# Altium PCB MCH_MAIN.PCBDOC (part 11 of 14) (continued)
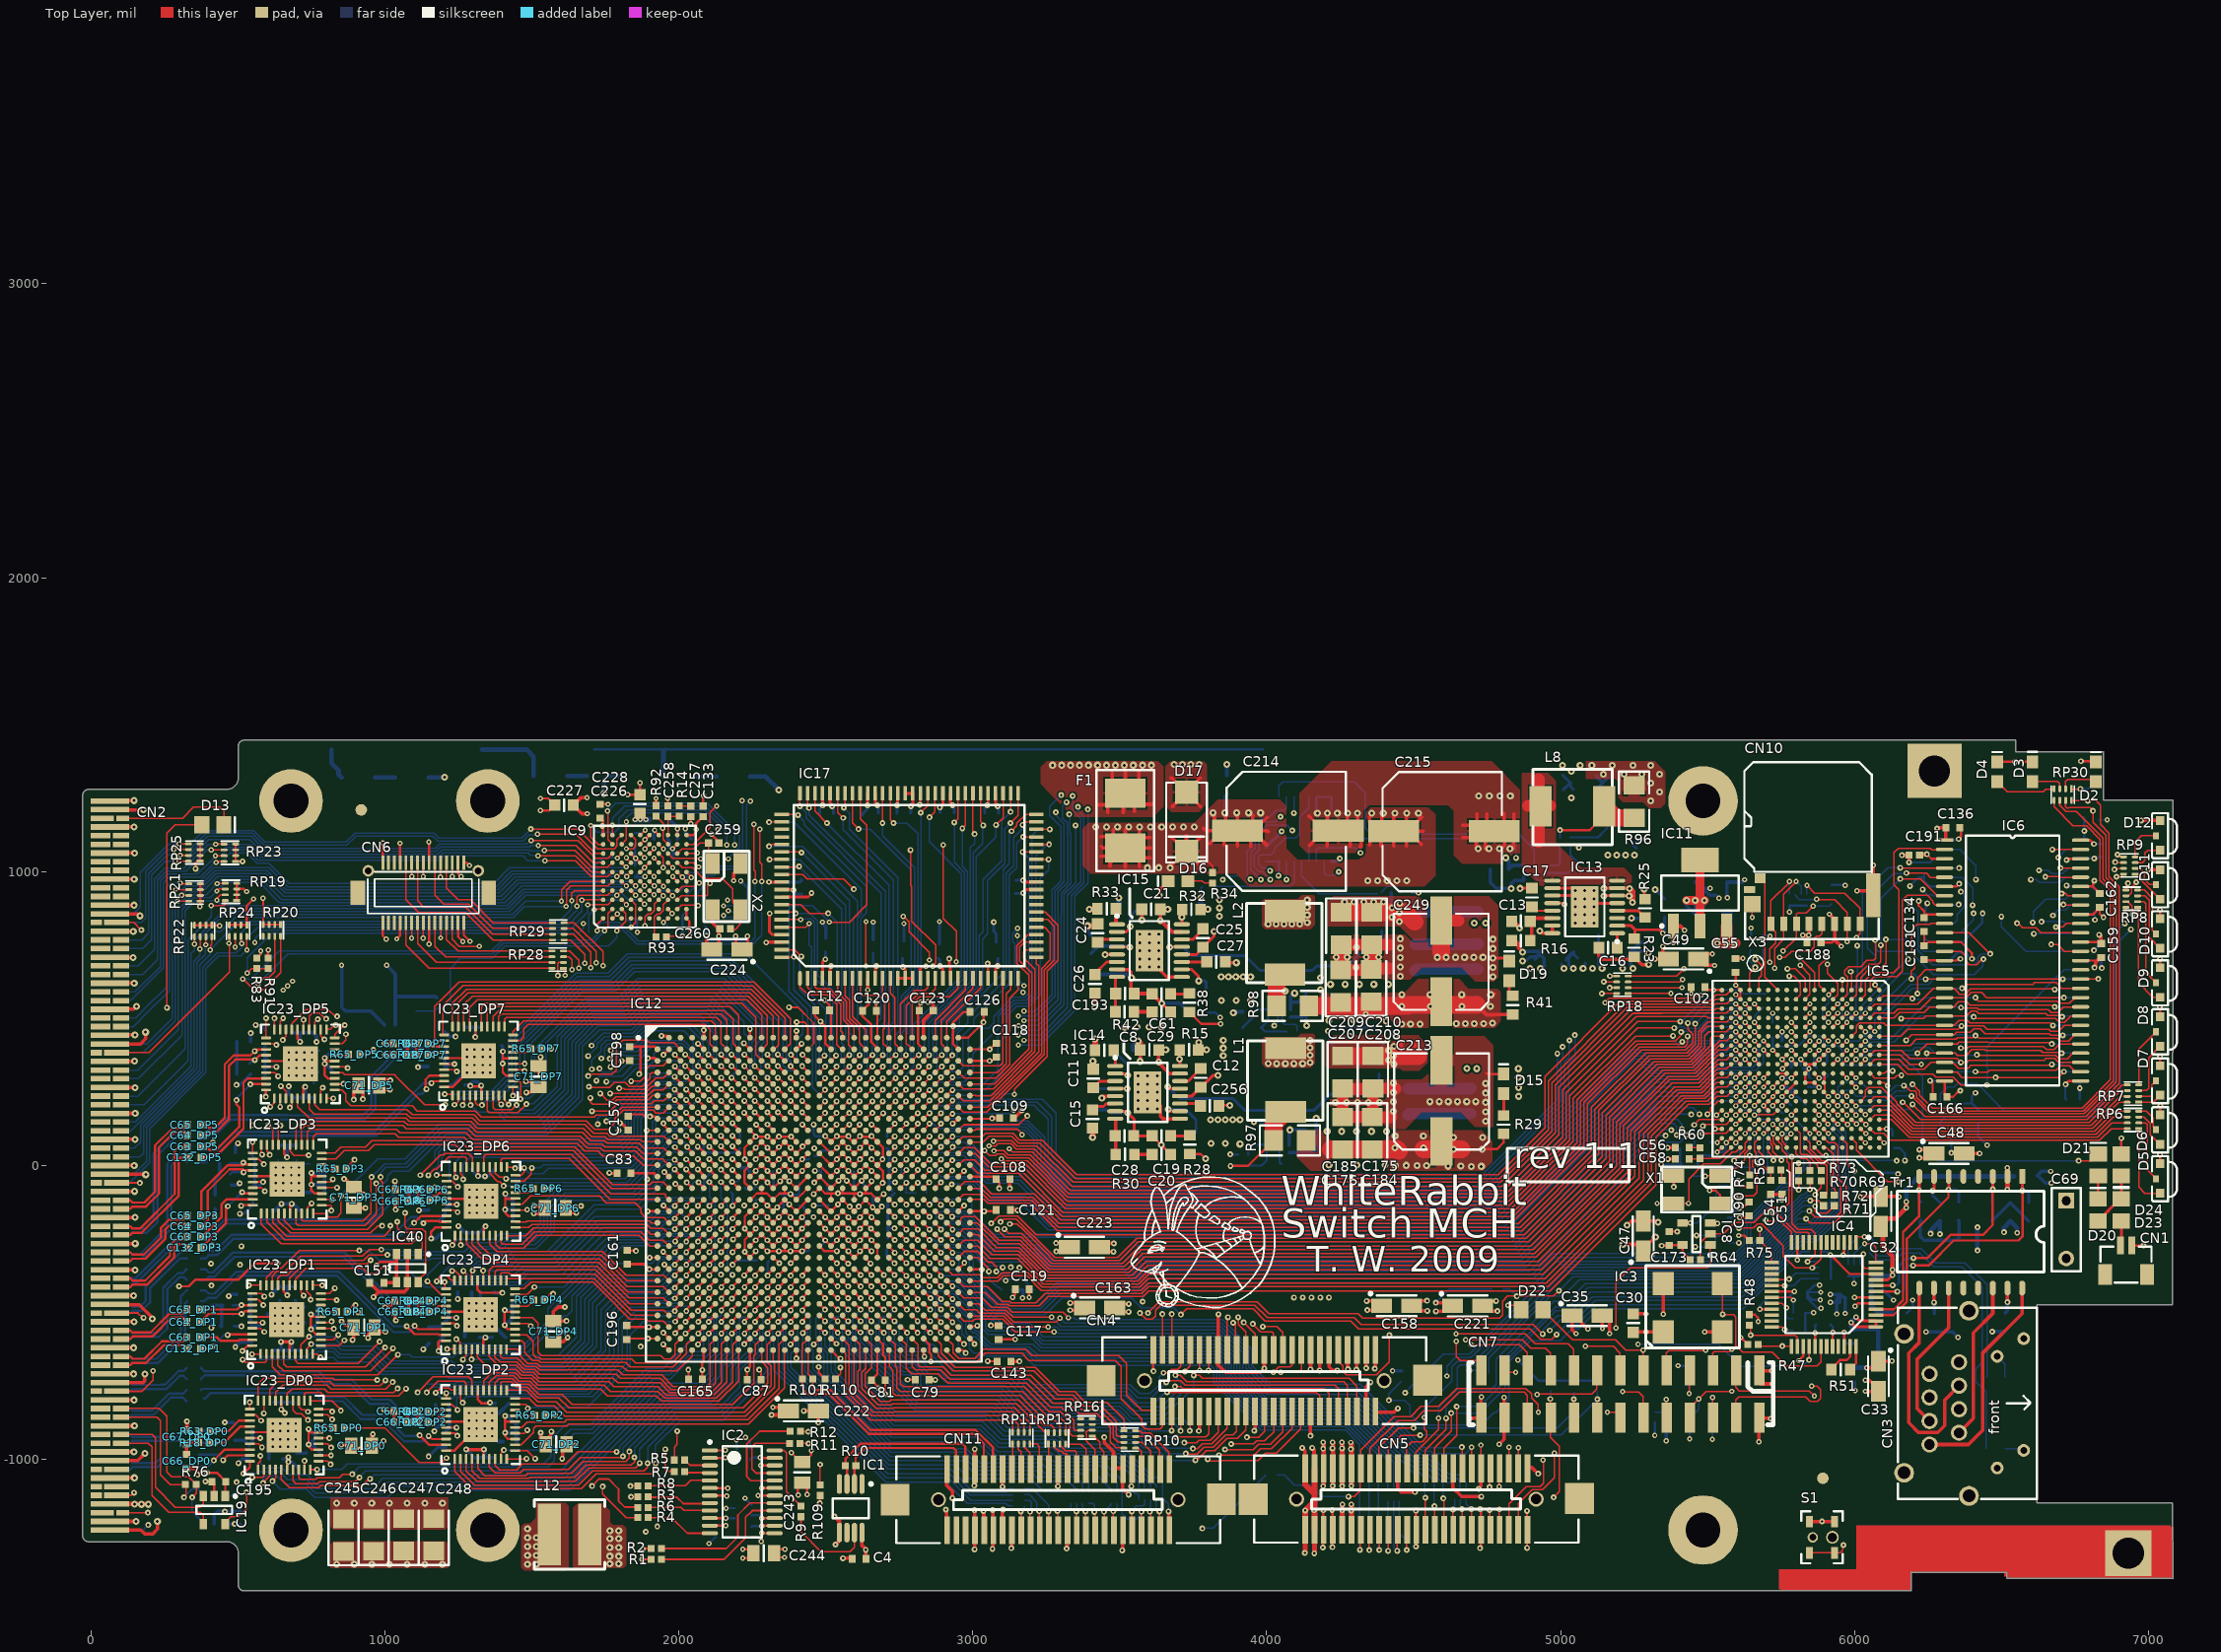
[diagram p0: Top Layer view]
## Nets (pads, with @x,y where several pads share a name; then routed paths per layer and width w, separated by ;. In a path a pad name is that pad's centre, name@x,y a point inside that pad or via, vN(x,y) a via of type N, cw(c..) or ccw(c..) an arc to the next point about the centre after c; other vN are vias at no path point) (continued)
  Top Layer w10: v2(5988,-534.1) 6003,-549.1 IC4.1@6072,-549.1 6072,-537.1 IC4.2@6072,-529.1 6018,-529.1 v2(6005,-516.1) ; C33.1@6073,-688.1 6073,-673.92 C33.1@6081,-665.92 6126.18,-665.92 v2(6127,-665.1)
  Top Layer w12: v2(6041,-688.1) C33.1@6073,-688.1
  Bottom Layer w16: C36.1@6002,-687.48 6002.62,-688.1 v2(6041,-688.1) 6066,-688.1 6080,-674.1 6080,-663.1 ; v2(6005,-516.1) 5988,-533.1 v2(5988,-534.1) 5988,-548.48 C37.1@5998,-558.48 6000.82,-555.66 L4.2@6080,-555.66 6080,-663.1 ; v2(6127,-665.1) 6125,-663.1 6080,-663.1
NetC42_2: C42.2 R49.1 R50.1 | length 255.7
  Bottom Layer w12: R49.1@6226,-187.6 6222,-191.6 6222,-240.1 6236,-254.1 6348.5,-254.1 C42.2@6354.5,-248.1 6354.5,-188.1 R50.1@6354,-187.6
NetC43_2: C43.2 D21.2 IC5.M8 | length 1539.7
  Top Layer w5: v1(6762,15.9) 6805.6,15.9 D21.2@6829,39.3
  Top Layer w8: v2@5721.95,392.22 IC5.M8@5737.48,376.69
  Bottom Layer w5: 5723.4,405.7 5723.88,405.22 5774.6,405.22 5777,407.61 5809.91,407.61 5841.41,439.11 5885.74,439.11 5894.9,429.95 5894.9,417.68 5904.47,408.11 5942.99,408.11 ; 5943.8,407.3 5942.99,408.11 ; v1(6762,15.9) 6283,15.9 6231,67.9 6231,304.9 6195.3,340.6 5971.91,340.6 5968.39,344.12 5957.81,354.69 5957.81,393.29 5942.99,408.11
  Bottom Layer w8: C43.2@5719.89,434.43 5721.84,432.48 v2(5721.84,392.11)
NetC51_2: C51.2 R56.1 | length 36.5
  Top Layer w5: R56.1@5751.25,-14.94 5751.54,-15.23 C51.2@5751.54,-51.32
NetC54_2: C54.2 IC5.P18 R56.2 | length 129.6
  Top Layer w5: IC5.P18@5674.48,61.73 5674.48,48.07 5689.39,33.16 5689.39,-1.96 5714.42,-26.99 C54.2@5714.42,-50.99 ; C54.2@5714.54,-51.32 C54.2@5714.54,-50.99
NetC56_2: C56.2 R60.1 | length 35.9
  Top Layer w5: C56.2@5437.62,60.9 5471.72,60.9 R60.1@5473,59.62
NetC57_2: C57.2 C59.2 IC5.U17 IC5.V18 L9.2 | length 199.5
  Top Layer w8: v2@5536.83,49.89 5536.83,50.07 IC5.V18@5548.5,61.73 ; v2(5564.27,77.47) IC5.U17@5580,93.23
  Bottom Layer w8: L9.2@5466.56,5.9 5466.56,26.86 5474.4,34.7 5504.95,34.7 C57.2@5506.89,32.76 5519.22,45.1 v2@5528.2,45.1 ; v2@5530.05,43.25 v2(5532.77,45.98) 5558.67,45.98 C59.2@5561.27,43.39 5561.27,74.47 v2(5564.27,77.47)
NetC58_2: C58.2 IC5.U18 R60.2 | length 155.6
  Top Layer w5: C58.2@5437.62,21.9 R60.2@5470.72,21.9 ; R60.2@5473,24.18 5542.45,24.18 IC5.U18@5580,61.73
NetC61_2: C61.2 R38.1 | length 68.1
  Top Layer w10: C61.2@3677.5,583.9 C61.2@3673.5,583.9 3735.5,583.9 R38.1@3737,585.4
NetC62_2: C62.2 IC5.R18 X1.1 | length 246.6
  Top Layer w5: v2(5491.5,-35.91) 5492.79,-34.61 X1.1@5541.89,-34.61 5563.4,-13.1 5592,-13.1 5625,19.9 5625,39.35 5643.1,57.45 IC5.R18@5643.1,61.4
  Bottom Layer w5: C62.2@5450.62,-36.1 5491.31,-36.1 v2(5491.5,-35.91)
NetC66_DP0_2: C66_DP0.2 C67_DP0.2 R18_DP0.2 R63_DP0.2 | length 118.4
  Top Layer w12: C66_DP0.2@325.2,-982.48 325.2,-947.72 330.82,-942.1 368.48,-942.1 R63_DP0.2@368.48,-904.1
NetC66_DP1_2: C66_DP1.2 C67_DP1.2 R18_DP1.2 R63_DP1.2 | length 111.7
  Bottom Layer w8: C67_DP1.2@439.38,-546.1 C67_DP1.2@440.38,-545.1 ; R18_DP1.2@447.28,-509.1 R18_DP1.2@448.28,-508.1
  Bottom Layer w12: C66_DP1.2@411.62,-476.1 R63_DP1.2@448.28,-476.1 445.38,-479.01 C67_DP1.2@445.38,-547.1
NetC66_DP2_2: C66_DP2.2 C67_DP2.2 R18_DP2.2 R63_DP2.2 | length 141.1
  Top Layer w12: C67_DP2.2@1077.62,-837.1 C66_DP2.2@1077.62,-873.1 R18_DP2.2@1111.28,-873.1 R63_DP2.2@1111.28,-837.1 ; C67_DP2.2@1078.62,-836.1 1110.28,-836.1 R63_DP2.2@1111.28,-837.1 ; R63_DP2.2@1111.28,-839.44 R63_DP2.2@1111.28,-837.1
NetC66_DP3_2: C66_DP3.2 C67_DP3.2 R18_DP3.2 R63_DP3.2 | length 113.7
  Bottom Layer w12: C66_DP3.2@423,-99.48 423,-44.38 R18_DP3.2@438.28,-29.1 R63_DP3.2@438.28,7.9
NetC66_DP4_2: C66_DP4.2 C67_DP4.2 R18_DP4.2 R63_DP4.2 | length 133.5
  Top Layer w12: C67_DP4.2@1081.62,-469.88 C66_DP4.2@1081.62,-498.1 R18_DP4.2@1115.28,-498.1 R63_DP4.2@1115.28,-460.1 C67_DP4.2@1081.62,-460.1
NetC66_DP5_2: C66_DP5.2 C67_DP5.2 R18_DP5.2 R63_DP5.2 | length 110
  Bottom Layer w12: C67_DP5.2@496.38,310.9 C66_DP5.2@496.38,420.9
NetC66_DP6_2: C66_DP6.2 C67_DP6.2 R18_DP6.2 R63_DP6.2 | length 148.6
  Top Layer w12: C67_DP6.2@1079.62,-82.1 C67_DP6.2@1082.62,-82.1 ; C67_DP6.2@1082.62,-82.1 C66_DP6.2@1082.62,-122.1 1085.62,-119.1 R18_DP6.2@1116.28,-119.1 R63_DP6.2@1116.28,-82.1 C67_DP6.2@1082.62,-82.1
NetC66_DP7_2: C66_DP7.2 C67_DP7.2 R18_DP7.2 R63_DP7.2 | length 146.4
  Top Layer w12: R63_DP7.2@1105.66,418.52 R63_DP7.2@1109.28,414.9 ; R63_DP7.2@1109.28,414.9 C67_DP7.2@1076.62,414.9 C66_DP7.2@1076.62,376.9 R18_DP7.2@1109.28,376.9 R63_DP7.2@1109.28,414.9
NetC69_2: C69.2 CN3.0 R52.1 R53.1 | length 162.1
  Bottom Layer w12: v2(6243,-566.1) 6270.5,-566.1 R52.1@6271,-566.6 6333.5,-566.6 v2(6352,-585.1) ; v1(6468,-565.1) 6468.5,-564.6 R53.1@6513,-564.6
NetC73_1: C73.1 Tr1.7 | length 100.4
  Top Layer w10: v1(6266,-85.1) 6270,-81.1 Tr1.7@6270,-37.1
  Bottom Layer w10: v1(6266,-85.1) 6266,-102.1 6267,-103.1 6267.5,-103.1 C73.1@6290,-125.6
NetC75_DP0_2: C75_DP0.2 C76_DP0.2 IC23_DP0.36 L5_DP0.2 | length 178.9
  Top Layer w6: IC23_DP0.36@541.06,-927.07 v1@576.26,-927.07
  Bottom Layer w12: L5_DP0.2@491,-934.66 522.18,-934.66 C75_DP0.2@539,-951.48 549.36,-941.12 549.36,-902.22 C76_DP0.2@549.36,-907.48 ; 549.36,-929.1 551.22,-927.24 v1(576.43,-927.24) v1@574.39,-927.24
NetC75_DP1_2: C75_DP1.2 C76_DP1.2 IC23_DP1.36 L5_DP1.2 | length 184.8
  Top Layer w6: IC23_DP1.36@548.86,-534.47 v1@584.06,-534.47
  Bottom Layer w12: C75_DP1.2@543.62,-439.1 543.62,-542.16 L5_DP1.2@547,-545.54 573.34,-545.54 v1(584.23,-534.64)
NetC75_DP2_2: C75_DP2.2 C76_DP2.2 IC23_DP2.36 L5_DP2.2 | length 155.1
  Top Layer w6: IC23_DP2.36@1209.14,-891.33 1244.33,-891.33 v1(1244.51,-891.5)
  Bottom Layer w12: L5_DP2.2@1208,-903.54 1220.04,-891.5 v1(1244.51,-891.5) ; L5_DP2.2@1219.62,-891.23 C75_DP2.2@1219.62,-813.1
NetC75_DP3_2: C75_DP3.2 C76_DP3.2 IC23_DP3.36 L5_DP3.2 | length 201.7
  Top Layer w6: IC23_DP3.36@550.54,-55.67 585.73,-55.67 v1(585.91,-55.84)
  Bottom Layer w10: C75_DP3.2@538.62,44.9 558.38,25.14 558.38,-62.16 L5_DP3.2@551,-69.54 572.21,-69.54 v1(585.91,-55.84)
NetC75_DP4_2: C75_DP4.2 C76_DP4.2 IC23_DP4.36 L5_DP4.2 | length 169.1
  Top Layer w6: IC23_DP4.36@1208.06,-517.53 v1@1243.26,-517.53
  Bottom Layer w8: 1216.36,-515.24 1218.83,-517.7
  Bottom Layer w12: L5_DP4.2@1149.98,-549.12 1187.41,-549.12 1216.36,-520.17 1216.36,-515.24 C76_DP4.2@1216.36,-492.68 ; 1218.83,-517.7 v1(1243.43,-517.7)
NetC75_DP5_2: C75_DP5.2 C76_DP5.2 IC23_DP5.36 L5_DP5.2 | length 180.6
  Top Layer w6: IC23_DP5.36@596.14,335.73 v1@631.33,335.73
  Bottom Layer w6: v1@627,337.9 629.16,337.9 v1(631.51,335.56)
  Bottom Layer w12: C75_DP5.2@592.99,308.11 593,337.9 ; C76_DP5.2@593,363.9 L5_DP5.2@593,406.34 ; C76_DP5.2@598.38,363.9 593,358.52 593,337.9 ; v1(631.51,335.56) 595.34,335.56 593,337.9
NetC75_DP6_2: C75_DP6.2 C76_DP6.2 IC23_DP6.36 L5_DP6.2 | length 159.7
  Top Layer w6: IC23_DP6.36@1209.86,-132.47 1245.06,-132.47 v1(1245.23,-132.64)
  Bottom Layer w8: 1220.63,-132.64 1223.02,-132.64
  Bottom Layer w12: C75_DP6.2@1187,-187.48 1204.56,-169.92 L5_DP6.2@1204.56,-151.1 L5_DP6.2@1218.16,-137.5 ; C76_DP6.2@1218.16,-107.62 L5_DP6.2@1218.16,-137.5 ; v1(1245.23,-132.64) 1223.02,-132.64 L5_DP6.2@1218.16,-137.5
NetC75_DP7_2: C75_DP7.2 C76_DP7.2 IC23_DP7.36 L5_DP7.2 | length 153.7
  Top Layer w6: IC23_DP7.36@1201.74,345.47 1236.93,345.47 v1(1237.11,345.3)
  Bottom Layer w12: C75_DP7.2@1204,407.28 1210.04,401.24 1210.04,370.32 1205,365.28 1205,331.46 1218.84,345.3 v1(1237.11,345.3)
NetC98_2: C98.2 IC5.T18 X1.3 | length 382.1
  Top Layer w5: X1.3@5384.41,-129.1 5436,-129.1 5436,-46.1 5486.97,4.87 5520.97,4.87 ; 5521,4.9 5543,4.9 5584.13,46.03 5595.48,46.03 5610.86,61.4 IC5.T18@5611.61,61.4
  Bottom Layer w5: C98.2@5407.62,-129.1 v2(5435,-129.1)
NetC100_2: C100.2 IC5.R1 X3.2 | length 156.3
  Top Layer w5: IC5.R1@5643.1,596.84 5643.1,655.22 X3.2@5662,674.12
  Bottom Layer w5: C100.2@5645.66,732.94 C100.2@5647,734.28 5643.5,730.78 5643.5,692.62 X3.2@5662,674.12
NetC106_2: C106.2 IC5.P1 X3.1 | length 173.4
  Top Layer w5: X3.1@5662,701.68 5683,680.68 5683,645.9 5674.2,637.1 5674.2,597.24 IC5.P1@5674.6,596.84
  Bottom Layer w5: X3.1@5662,701.68 5682.98,701.68 5687.5,706.2 5687.5,732.78 C106.2@5686,734.28
NetC140_1: C140.1 IC21.5 R104.1 | length 188.5
  Bottom Layer w8: IC21.5@4950.77,992.49 4953.18,994.9 5025,994.9 5059,1028.9 C140.1@5060.5,1028.9 5033,1056.4 R104.1@5033,1081.18
NetC140_2: C140.2 IC21.4 R103.1 | length 102.7
  Bottom Layer w8: IC21.4@4950.77,1018.08 4953.59,1020.9 4989.5,1020.9 C140.2@4997.5,1028.9 4997.5,1079.69 R103.1@4998,1080.18
NetC193_2: C193.2 IC15.8 R42.2 | length 120.6
  Top Layer w10: R42.2@3485.5,522.9 3485.5,636.07 IC15.8@3490.76,641.33
NetC228_2: C228.2 C233.2 C234.2 C235.2 C236.2 IC9.F8 IC9.G7 IC9.G10 IC9.H1 IC9.K1 IC9.K2 L11.1 | length 362
  Top Layer w8: IC9.F8@1900.48,1061.37 v2@1911.01,1071.9 ; v2@1912,1071.9 1916,1075.9 v2@1916,1078.87 ; v2@1916,1045.85 IC9.G7@1931.98,1029.88 ; v2@1918,1138.34 IC9.G10@1931.98,1124.36 ; v2(1948,826.9) 1962,840.9 IC9.H1@1963.47,840.9 ; IC9.K2@2026.46,872.4 IC9.K1@2026.46,840.9 ; IC9.K1@2027,840.9 IC9.K1@2026.46,840.9 ; v2(2037,781.9) 2035.73,783.17 2035.73,831.63 IC9.K1@2026.46,840.9
  Top Layer w20: C228.2@1868,1198.4 C228.2@1870.94,1201.34
  Bottom Layer w8: v2(1948,826.9) 1965.38,809.52 C235.2@1965.38,805.9 ; v2(2037,781.9) 2044.38,789.28 C233.2@2044.38,809.9
  Bottom Layer w12: C234.2@1915.38,1110.9 1915.38,1138.28 v2(1918,1140.9)
  Bottom Layer w20: v2(1888,1176.9) v2(1869,1176.9) v2(1851,1176.9) L11.1@1899,1176.9
  other v2: 1916,1045.9 1916.23,1079.1
NetC237_2: C237.2 IC9.J10 L11.2 | length 100.4
  Top Layer w8: IC9.J10@1994.97,1124.36 1994.97,1144.87 v2(1996,1145.9)
  Top Layer w12: IC9.J10@1994.97,1124.36 IC9.J10@1996,1125.4
  Bottom Layer w12: L11.2@1968.81,1176.9 1995.38,1150.33 C237.2@1995.38,1110.9
NetC241_1: C241.1 IC22.5 R106.1 | length 191.4
  Bottom Layer w8: R106.1@3937.72,37.9 3937.72,56.62 3952,70.9 4030,70.9 4043.75,57.15 4043.75,11.65 C241.1@4050.5,4.9
NetC241_2: C241.2 IC22.4 R105.1 | length 96.9
  Bottom Layer w8: R105.1@3937.72,-0.1 3982.5,-0.1 C241.2@3987.5,4.9 4000.23,17.62 IC22.4@4000.23,44.72
NetC242_1: C242.1 IC24.5 R108.1 | length 121.6
  Bottom Layer w8: C242.1@3918.5,468.9 3918.5,469.4 3954.72,505.62 R108.1@3954.72,522.9 3962.13,530.31 IC24.5@4004.23,530.31
NetC242_2: C242.2 IC24.4 R107.1 | length 136.4
  Bottom Layer w8: IC24.4@4004.23,504.72 4004.23,491.63 C242.2@3981.5,468.9 3994.5,455.9 R107.1@4067.28,455.9
NetC256_1: C256.1 IC14.11 | length 72.4
  Top Layer w10: IC14.11@3705.24,210.51 3766.89,210.51 C256.1@3774.5,202.9
NetC257_2: C257.2 R14.1 | length 39.4
  Top Layer w5: R14.1@2002,1223.62 2040,1223.62 C257.2@2041,1222.62
NetC258_2: C258.2 IC9.H10 R14.2 | length 103
  Top Layer w5: IC9.H10@1963.47,1124.36 1963.47,1187.71 C258.2@1963,1188.18 R14.2@2002,1188.18
NetC259_2: C259.2 IC9.J8 X2.1 | length 196.3
  Top Layer w5: IC9.J8@1994.97,1061.37 2010.5,1076.9 2051.25,1076.9 2071.25,1096.9 C259.2@2101.28,1096.9 2101.28,1040.62 2104,1037.9 2105,1037.9 X2.1@2115,1027.9
NetC260_2: C260.2 IC9.J7 X2.3 | length 409.4
  Top Layer w5: IC9.J7@1994.97,1029.88 2011.95,1012.9 2047.33,1012.9 2083.33,976.9 2148,976.9 2184,940.9 2184,895.91 X2.3@2209.49,870.42 ; C260.2@2166.72,802.9 2192.49,802.9 2209.49,819.9 X2.3@2209.49,870.42 ; X2.3@2211,871.93 X2.3@2209.49,870.42
NetCN1_2: CN1.2 D23.1 | length 85
  Top Layer w10: CN1.2@6903.63,-272.1 6907,-268.73 D23.1@6907,-188.5
NetCN2_3: CN2.3 D13.1 | length 2587
  Top Layer w5: CN2.3@108.28,-1181.12 197.85,-1181.12 v1@200.21,-1178.76 ; v1(259,536.9) 262.8,540.7 258,545.5 258,1129.9 287,1158.9 D13.1@377.6,1158.9
  MidLayer1 w5: v1(194,-1181.1) 208.4,-1181.1 272.4,-1117.1 272.4,484.9 259,498.3 v1(259,536.9) v1@260,535.9
NetCN2_83: CN2.83 D13.2 | length 412.5
  Top Layer w5: CN2.83@108.5,1181.3 CN2.83@108.28,1181.08 312.18,1181.08 350,1218.9 425.5,1218.9 439.5,1218.9 441.4,1217 452.4,1206 D13.2@452.4,1158.9
NetCN3_1: CN3.1 Tr1.16 | length 740.8
  Top Layer w12: CN3.1@6255,-949.1 6387,-949.1 6435,-901.1 6435,-639.1 6570,-504.1 6570,-449.1 6570,-443.1 Tr1.16@6570,-416.1
NetCN3_2: CN3.2 Tr1.14 | length 540.6
  Top Layer w12: CN3.2@6355,-909.1 6404,-860.1 6404,-569.1 6470,-503.1 Tr1.14@6470,-416.1
NetCN3_3: CN3.3 Tr1.11 | length 570.1
  Top Layer w12: 6216.44,-830.54 CN3.3@6255,-869.1 6212,-826.1 6212,-660.1 6320,-552.1 Tr1.11@6320,-416.1
NetCN3_6: CN3.6 Tr1.9 | length 775
  Top Layer w12: Tr1.9@6220,-416.1 6220,-602.1 6184,-638.1 6184,-875.1 6216.56,-907.66 6283.44,-907.66 6306,-885.1 6306,-798.1 CN3.6@6355,-749.1
NetCN3_9: CN3.9 R55.2 | length 82.6
  Bottom Layer w5: CN3.9@6485,-649.1 6510.5,-674.6 R55.2@6510.5,-721.1
NetCN3_12: CN3.12 R54.2 | length 67
  Bottom Layer w5: R54.2@6510.5,-963.1 6569,-963.1 CN3.12@6575,-969.1
NetCN6_7: CN6.7 RP29.1 | length 495.6
  Top Layer w5: CN6.7@1209.74,1030.26 1209.74,944.86 1250.4,904.2 1290.9,904.2 1369.07,826.03 RP29.1@1570.71,826.03
NetCN6_8: CN6.8 RP28.5 | length 432.1
  Top Layer w5: CN6.8@1209.74,825.54 1209.74,769.06 1249.4,729.4 1568.09,729.4 RP28.5@1568.71,730.03
NetCN6_11: CN6.11 RP29.2 | length 558.4
  Top Layer w5: CN6.11@1170.37,1030.26 1170.37,918.73 1200.2,888.9 1284.5,888.9 1367.06,806.34 RP29.2@1570.71,806.34
NetCN6_12: CN6.12 RP28.6 | length 492.1
  Top Layer w5: CN6.12@1170.37,825.54 1171.5,824.41 1171.5,745.8 1206.96,710.34 RP28.6@1568.71,710.34
NetCN6_17: CN6.17 RP29.3 | length 636.3
  Top Layer w5: CN6.17@1111.31,1030.26 1111.31,900.59 1133,878.9 1274.5,878.9 1366.74,786.66 RP29.3@1570.71,786.66
NetCN6_18: CN6.18 RP28.7 | length 554
  Top Layer w5: CN6.18@1111.31,825.54 1111.31,755.99 1175.2,692.1 1567.27,692.1 RP28.7@1568.71,690.66
NetCN6_21: CN6.21 RP29.4 | length 682
  Top Layer w5: CN6.21@1071.94,1030.26 1071.94,903.66 1115,860.6 1274.7,860.6 1368.33,766.97 RP29.4@1570.71,766.97
NetCN6_22: CN6.22 RP28.8 | length 604.8
  Top Layer w5: CN6.22@1071.94,825.54 1071.94,750.36 1151.2,671.1 1293.9,671.1 1294.03,670.97 RP28.8@1568.71,670.97
NetCN10_G4: CN10.G4 IC5.M1 | length 407.7
  Top Layer w5: CN10.G4@5679.01,974.89 CN10.G4@5679.01,977.58 5694.12,962.46 5694.12,640.31 IC5.M1@5737.59,596.84
NetCN10_P1: CN10.P1 IC5.L17 RP5.1 | length 1118.2
  Top Layer w5: v2(5711,690.9) 5711,736.31 5732,757.31 5732,792.9 5715.43,809.47 CN10.P1@5715.43,822.07 5715.43,900.33 5778,962.9 v2(5778,965.9) ; IC5.L17@5769.09,92.9 5783,106.81 5783,107.9 v2(5784,107.9)
  MidLayer4 w5: v2(5711,690.9) 5711,564.76 5698.64,552.4 5698.5,552.4 5674.73,528.63 5674.73,96.17 5691,79.9 5756,79.9 v2(5784,107.9)
  Bottom Layer w5: v2(5778,965.9) 5778.47,965.43 RP5.1@5778.47,923.59
NetCN10_P2: CN10.P2 IC5.L18 RP5.3 | length 1065.4
  Top Layer w5: v2(5728,670.9) 5728,739.17 5758.73,769.9 CN10.P2@5758.73,822.07 5758.73,923.3 5801,965.57 v2(5801,965.9) ; v2(5753,107.9) 5753,82.11 5769.09,66.02 IC5.L18@5769.09,61.4
  MidLayer4 w5: v2(5728,670.9) 5727.5,670.4 5727.5,560.4 5706,538.9 5706,102.98 5720.08,88.9 5734,88.9 v2(5753,107.9)
  Bottom Layer w5: v2(5801,965.9) 5817.84,949.06 RP5.3@5817.84,923.59
NetCN10_P3: CN10.P3 IC5.M16 R20.1 | length 927.3
  Top Layer w5: v2(5722,139.9) 5722.09,139.9 IC5.M16@5737.59,124.4 ; v2(5757,729.9) 5753,725.9 5754,725.9 5802.04,773.94 CN10.P3@5802.04,822.07 5802.04,854.94 5807,859.9 5836,859.9 v2(5859,882.9)
  MidLayer4 w5: v2(5722,139.9) 5737.84,155.74 5737.84,510.76 5749,521.92 5749,681.9 5767,699.9 5767,719.9 v2(5757,729.9)
  Bottom Layer w5: v2(5859,882.9) 5916,882.9 5916,884.4 R20.1@5923,891.4
NetCN10_P5: CN10.P5 IC5.M14 | length 930.9
  Top Layer w5: v2(5659,171.9) 5660.11,173.01 5723.22,173.01 IC5.M14@5737.59,187.39 ; v2(5745,707.9) 5764,707.9 5785,728.9 5848,728.9 5862,742.9 5862,771.9 5870,779.9 5880,779.9 5888.65,788.55 CN10.P5@5888.65,822.07 CN10.P5@5888.65,810.55
  MidLayer4 w5: v2(5659,171.9) 5643,187.9 5643,510.9 5694.5,562.4 5694.5,697.73 5704.17,707.4 v2@5743.5,707.4
NetCN10_P7: CN10.P7 IC5.M18 RP5.2 | length 1173.4
  Top Layer w5: v2(5723,107.9) 5723.22,107.68 5723.22,77.34 5737.59,62.96 IC5.M18@5737.59,61.4 ; v2(5870,905.9) 5868,903.9 5932.27,903.9 5975.27,860.9 CN10.P7@5975.27,822.07 5975.27,761.17 v2(5975,760.9)
  MidLayer4 w5: v2(5723,107.9) 5739.5,124.4 5799.5,124.4 5813,137.9 5813,334.38 5832.81,354.2 5832.81,384.72 5832.33,385.2 5832.33,557.43 5941,666.1 5941,685.9 5969.5,714.4 ; 5958,702.9 5969.5,714.4 ; v2(5975,760.9) 5975,719.9 5969.5,714.4
  Bottom Layer w5: RP5.2@5798.16,923.59 5798.16,918.81 5812.7,904.27 5867.63,904.27 5868,903.9 v2(5870,905.9)
NetCN10_P8: CN10.P8 IC5.L15 RP5.4 | length 1139.5
  Top Layer w5: v2@5753.09,139.9 IC5.L15@5769.09,155.89 ; v2(5838,952.9) 5864,926.9 5967,926.9 6018.57,875.33 CN10.P8@6018.57,822.07 6018.57,788.47 v2(6006,775.9)
  MidLayer4 w5: v2(5752,139.9) 5753,140.9 5753,161.73 5800.33,209.06 5800.33,547.23 5857,603.9 5858.9,605.8 5927,673.9 5927,743.9 5960.5,777.4 6004.5,777.4 v2(6006,775.9)
  Bottom Layer w5: RP5.4@5837.53,923.59 5837.53,952.43 v2(5838,952.9)
NetD1_1: D1.1 RP30.1 | length 93.7
  Top Layer w5: RP30.1@6737.25,1280.11 6766.91,1280.11 v1(6768.1,1281.3)
  Bottom Layer w5: v1(6768.1,1281.3) 6794.86,1281.3 D1.1@6820,1306.44
NetD2_1: D2.1 RP30.2 | length 135.1
  Top Layer w5: RP30.2@6717.57,1280.11 6717.9,1280.44 6717.9,1306.7 6725,1313.8 6812.77,1313.8 D2.1@6820.21,1306.36
NetD3_1: D3.1 RP30.3 | length 115.1
  Top Layer w5: D3.1@6605,1306.44 6690.86,1306.44 6697.88,1299.42 RP30.3@6697.88,1280.11
NetD4_1: D4.1 RP30.4 | length 211.2
  Top Layer w5: D4.1@6485.21,1306.36 6520.27,1271.3 6641.1,1271.3 6650,1280.2 6678.11,1280.2 RP30.4@6678.2,1280.11
NetD5_KG: D5.1 RP6.1 | length 279.4
  Top Layer w5: RP6.1@6966.68,125.37 6966.68,-72.78 6988,-94.1 7038.75,-94.1 D5.1@7039,-94.35
NetD5_KR: D5.2 RP6.2 | length 227.9
  Top Layer w5: RP6.2@6966.68,145.06 6989.7,145.06 6995,139.76 6995,-14.92 D5.2@7025.22,-45.14
NetD6_KG: D6.1 RP6.3 | length 133.4
  Top Layer w5: RP6.3@6966.68,164.74 6984.16,164.74 7005,143.9 7005,104.9 7037.54,72.36 D6.1@7039,72.36
NetD6_KR: D6.2 RP6.4 | length 102.7
  Top Layer w5: RP6.4@6966.68,184.43 6992.47,184.43 7015,161.9 7015,130.9 7024.33,121.57 D6.2@7025.22,121.57
NetD7_KG: D7.1 RP7.1 | length 82.1
  Top Layer w5: RP7.1@6966.68,215.37 7015.3,215.37 D7.1@7039,239.08
NetD7_KR: D7.2 RP7.2 | length 101.2
  Top Layer w5: RP7.2@6966.68,235.06 7007.16,235.06 7011,238.9 7011,274.07 D7.2@7025.22,288.29
NetD8_KG: D8.1 RP7.3 | length 196.3
  Top Layer w5: RP7.3@6966.68,254.74 6992.84,254.74 7000,261.9 7000,366.79 D8.1@7039,405.79
NetD8_KR: D8.2 RP7.4 | length 204.8
  Top Layer w5: RP7.4@6966.68,274.43 6966.68,396.47 D8.2@7025.22,455
NetD9_KG: D9.1 RP8.1 | length 352.5
  Top Layer w5: RP8.1@6962.41,878.05 6963.56,876.9 6965,876.9 6965,621.9 7014.4,572.5 D9.1@7039,572.5
NetD9_KR: D9.2 RP8.2 | length 314.8
  Top Layer w5: RP8.2@6962.41,897.74 6984.16,897.74 6991,890.9 6991,655.94 D9.2@7025.22,621.72
NetD10_KG: D10.1 RP8.3 | length 224.6
  Top Layer w5: RP8.3@6962.41,917.42 6987.48,917.42 7002,902.9 7002,776.22 D10.1@7039,739.22
NetD10_KR: D10.2 RP8.4 | length 188.4
  Top Layer w5: RP8.4@6962.41,937.11 6985.79,937.11 7013,909.9 7013,800.65 D10.2@7025.22,788.43
NetD11_KG: D11.1 RP9.1 | length 124.5
  Top Layer w5: RP9.1@6954.41,991.05 6961.85,991.05 6975.5,977.4 6975.5,969.4 D11.1@7039,905.93
NetD11_KR: D11.2 RP9.2 | length 106.3
  Top Layer w5: RP9.2@6954.41,1010.74 6970.42,1010.74 6981.5,999.65 6985.5,995.65 6985.5,974.4 7003,956.9 7023.47,956.9 D11.2@7025.22,955.15
NetD12_KG: D12.1 RP9.3 | length 116.1
  Top Layer w5: RP9.3@6954.41,1030.42 6978.52,1030.42 6987,1038.9 6987,1062.9 6996.75,1072.65 D12.1@7039,1072.65
NetD12_KR: D12.2 RP9.4 | length 132
  Top Layer w5: RP9.4@6954.41,1050.11 6954.41,1102.31 6975,1122.9 7024.18,1122.9 D12.2@7025.22,1121.86
NetD15_1: D15.1 R29.1 | length 74
  Top Layer w10: R29.1@4806,170.4 D15.1@4806,244.44
NetD16_1: D16.1 R34.1 | length 96.1
  Top Layer w5: D16.1@3731.46,966.9 3732.86,968.3 3780.2,968.3 3787.32,961.18 R34.1@3816,961.18
  Top Layer w12: R34.1@3810.28,966.9 R34.1@3816,961.18
NetD19_1: D19.1 R41.1 | length 56
  Top Layer w10: D19.1@4825,628.44 4825,589.4 R41.1@4837,577.4
NetD20_1: D20.1 D23.2 D24.2 | length 188.2
  Top Layer w10: D20.1@6828,-188.5 6902.8,-113.7 D23.2@6907,-113.7 D24.2@6907,-35.5
NetD20_2: D20.2 D21.1 | length 78.6
  Top Layer w10: D20.2@6828,-113.7 6828,-36.5 D21.1@6829,-35.5
NetIC1_7: IC1.7 R9.1 | length 317.3
  Top Layer w6: R9.1@2416,-1194.82 2416,-1246.1 2484,-1314.1 2582,-1314.1 2597.8,-1298.3 IC1.7@2597.8,-1248.78
NetIC2_24: IC2.24 R9.2 | length 246
  Top Layer w6: IC2.24@2326.24,-969.35 2358.25,-969.35 2366,-977.1 2366,-1109.38 R9.2@2416,-1159.38
NetIC3_3: IC3.3 IC4.42 IC5.V13 | length 1400.7
  Top Layer w5: v1@5500.53,175.55 5510.21,185.23 5510.21,194.64 5534.78,219.21 IC5.V13@5548.5,219.21 ; IC3.3@5549,-401.1 5551,-403.1 v1(5551,-506.1) 5552,-507.1 5588.2,-507.1 5596.2,-515.1 5596.2,-596.1 5596.2,-612.2 5619.1,-635.1 5719,-635.1 5766,-682.1 5872,-682.1 5885,-669.1 IC4.42@5885,-616.1
  MidLayer1 w5: v1(5499.54,174.56) 5499.54,153.71 5505.09,148.16 5505.09,-12.19 5522.5,-29.6 5522.5,-50.19 5550.41,-78.1 v1@5550.41,-505.51
NetIC4_3: IC4.3 R50.2 Tr1.6 | length 682.3
  Top Layer w8: IC4.3@6072,-509.1 6132.38,-509.1 6178,-463.48 6178,-249.1 6319,-108.1 v1(6319,-82.1)
  Top Layer w10: v1(6319,-82.1) 6320,-81.1 Tr1.6@6320,-37.1
  Bottom Layer w10: v1(6319,-82.1) 6345,-82.1 6354,-91.1 R50.2@6354,-124.6
NetIC4_4: IC4.4 R49.2 Tr1.8 | length 593
  Top Layer w8: IC4.4@6072,-489.1 6134,-489.1 6165,-458.1 6165,-227.1 6219,-173.1 v1(6219,-84.1)
  Top Layer w10: v1(6219,-84.1) 6220,-83.1 Tr1.8@6220,-37.1
  Bottom Layer w10: v1(6219,-84.1) 6219,-117.6 R49.2@6226,-124.6
NetIC4_7: IC4.7 R45.1 Tr1.1 | length 893.4
  Top Layer w8: IC4.7@6072,-429.1 6111,-429.1 ; 6125,-429.1 6111,-429.1 ; v1(6145,-429.1) 6111,-429.1 ; v1(6199,-340.1) 6252,-340.1 6337,-255.1 6557,-255.1 6572,-240.1 6572,-87.1 v1(6570,-85.1)
  Top Layer w10: v1(6570,-85.1) Tr1.1@6570,-37.1
  Bottom Layer w8: v1(6145,-429.1) 6162,-429.1 6167,-424.1 6167,-356.1 6183,-340.1 v1(6199,-340.1)
  Bottom Layer w10: v1@6570,-86.1 6585,-86.1 6592,-93.1 R45.1@6592,-125.6
NetIC4_8: IC4.8 R46.1 Tr1.3 | length 722
  Top Layer w8: IC4.8@6072,-409.1 v1@6127,-409.1 ; v1(6200,-315.1) 6247,-315.1 6326,-236.1 6436,-236.1 6469,-203.1 6469,-82.1 v1(6470,-81.1)
  Top Layer w10: v1(6470,-81.1) Tr1.3@6470,-37.1
  Bottom Layer w8: v1(6129,-407.1) 6142,-407.1 6151,-398.1 6151,-340.1 6175,-316.1 6200,-316.1 v1(6200,-315.1)
  Bottom Layer w10: R46.1@6468,-124.6 v1@6468,-83.1
NetIC4_11: IC4.11 RP2.8 | length 165.4
  Top Layer w5: v2(6030,-301.1) 6029,-302.1 6029,-343.1 6035,-349.1 IC4.11@6072,-349.1 6036,-349.1
  Bottom Layer w5: RP2.8@6017.53,-337.41 6017.53,-313.57 v2(6030,-301.1)
NetIC4_12: IC4.12 R54.1 RP2.7 | length 1267.8
  Top Layer w5: v2(6034,-266.1) 6061,-266.1 6072,-277.1 IC4.12@6072,-329.1 IC4.12@6056,-329.1
  Bottom Layer w5: RP2.7@5997.84,-337.41 5997.84,-300.26 6033,-265.1 v2(6034,-266.1) 6046,-266.1 6052,-272.1 6052,-298.1 6075,-321.1 6138,-321.1 6162,-297.1 6221,-297.1 6269,-345.1 6366,-345.1 6434,-413.1 6434,-670.1 6413,-691.1 6413,-734.6 6447.5,-769.11 R54.1@6447.5,-963.1
NetIC4_13: IC4.13 R55.1 RP2.6 | length 1018.9
  Top Layer w5: IC4.13@6005,-262.1 6005,-248.1 6010,-243.1 6033,-243.1 v2(6033,-242.1)
  Bottom Layer w5: RP2.6@5978.16,-337.41 5978.5,-337.07 5978.5,-301.6 5978.5,-276.6 6012,-243.1 v2@6033,-243.1 ; v2(6033,-242.1) v2@6033,-243.1 ; R55.1@6447.5,-721.1 6450,-718.6 6450,-405.1 6376,-331.1 6274,-331.1 6226,-283.1 6156,-283.1 6131,-308.1 6080,-308.1 6062,-290.1 6062,-253.1 6052,-243.1 v2@6033,-243.1
NetIC4_19: IC4.19 IC5.V14 RP1.3 | length 921.6
  Top Layer w5: v2@5528.96,171.94 5532.72,171.94 5548.39,187.61 IC5.V14@5548.5,187.72 ; v1(5606,-213.1) 5656.25,-213.1 5669.75,-199.6 5684.25,-199.6 5757,-272.35 5757,-307.1 5798,-348.1 v1(5856,-348.1) 5855,-347.1 5885,-317.1 IC4.19@5885,-262.1
  MidLayer1 w5: v2@5530.93,171.94 5548.27,154.59 5548.27,59.13 5555.3,52.1 5555.3,-27.65 5626.5,-98.85 5626.5,-192.6 v1(5606,-213.1)
  Bottom Layer w5: v1(5856,-348.1) 5855,-347.1 5855.84,-346.26 RP1.3@5879.31,-346.26
  other v2: 5530.78,171.97
NetIC4_20: IC4.20 IC5.T13 RP1.4 | length 818.5
  Top Layer w5: v1(5786.31,29.45) 5786.31,-196.41 5807.5,-217.6 5852.5,-217.6 5865,-230.1 IC4.20@5865,-262.1 5865,-302.1 v1(5840,-327.1)
  Top Layer w8: v2(5595.7,202.9) 5595.7,203.42 5611.38,219.11 IC5.T13@5611.49,219.21
  Bottom Layer w5: v2(5595.7,202.9) 5595.7,203.42 5595.74,203.47 5611.24,187.97 5664.85,187.97 5674.73,178.09 5674.73,161.67 5680.32,156.08 5757.74,156.08 5768.5,145.32 5768.5,47.27 v1(5786.31,29.45) ; v1(5840,-327.1) 5840.53,-326.57 RP1.4@5879.31,-326.57
NetIC4_21: IC4.21 IC5.P16 | length 504.6
  Top Layer w5: v1(5722,-161.1) 5721,-162.1 5734.86,-162.1 5800.36,-227.6 5840.5,-227.6 5845,-232.1 IC4.21@5845,-262.1
  Top Layer w8: v2(5658.74,108.98) 5674.38,124.62 IC5.P16@5674.48,124.73
  MidLayer1 w5: v1@5670.8,6.25 5670.8,-13.5 5704.8,-47.5 5704.8,-145.9 5721,-162.1 v1(5722,-161.1)
  Bottom Layer w5: v2(5658.74,108.98) 5658.74,75.62 5670.69,63.67 v1(5670.69,6.58)
NetIC4_24: IC4.24 IC5.T15 | length 555.5
  Top Layer w5: v1(5697,-186.1) 5695,-188.1 5746.72,-188.1 5785,-226.38 IC4.24@5785,-262.1
  Top Layer w8: v2(5595.74,140.47) 5611.38,156.11 IC5.T15@5611.49,156.22
  MidLayer1 w5: v2(5595.74,140.47) 5611.24,124.97 5611.24,103.05 5622.83,91.47 ; 5622.83,90.19 5622.83,91.47 ; 5672.77,-153.87 5672.77,-144.1 ; 5672.77,-86.27 5672.77,-80.96 ; v1(5697,-186.1) 5695,-188.1 5672.77,-165.87 5672.77,-144.1 ; 5622.83,91.47 5622.83,1.55 5672.77,-48.39 5672.77,-80.96 ; 5672.77,-144.1 5672.77,-80.96
NetIC4_25: IC4.25 IC5.R16 R75.2 | length 548.4
  Top Layer w5: v1(5677,-217.1) 5677.72,-217.82 R75.2@5677.72,-255.1 5718,-295.38 IC4.25@5718,-329.1
  Top Layer w8: v2(5627.24,108.98) 5642.88,124.62 IC5.R16@5642.99,124.73
  MidLayer1 w5: v2@5627.24,106.45 5632.21,101.48 5632.21,77.78 5662.59,47.4 5662.59,27.38 5651.13,15.92 5651.13,-12.61 5689.8,-51.28 5689.8,-154.15 5716,-180.35 5716,-202.1 5703,-215.1 v1@5679,-215.1
NetIC4_28: IC4.28 IC5.R14 RP1.2 | length 854.8
  Top Layer w5: IC4.28@5718,-389.1 5780,-389.1 v1(5777.3,-386.4)
  Top Layer w8: v2(5627.24,171.97) 5642.88,187.61 IC5.R14@5642.99,187.72
  MidLayer1 w5: v2(5627.24,171.97) 5643.24,155.97 5643.24,134.05 5652.6,124.69 5664.94,124.69 5674.24,115.4 5674.24,95.5 5705.99,63.75 5705.99,-11.21 5733,-38.23 5733,-126.3 5755.2,-148.5 5755.2,-233.1 ; 5755.2,-257.7 5755.2,-233.1 ; v1(5777.3,-386.4) 5755.2,-364.3 5755.2,-233.1
  Bottom Layer w5: v1(5777.3,-386.4) 5797.76,-365.94 5838,-365.94 ; 5834.16,-365.94 5838,-365.94 ; RP1.2@5879.31,-365.94 5838,-365.94
NetIC4_29: IC4.29 IC5.T14 RP1.1 | length 875.8
  Top Layer w5: IC4.29@5718,-409.1 v1(5762.8,-409.1)
  Top Layer w8: v2(5595.7,171.9) 5611.38,187.61 IC5.T14@5611.49,187.72
  MidLayer1 w5: v2(5595.7,171.9) 5596.13,171.97 5632.8,135.3 5632.8,128.7 5642.74,118.76 5642.74,91.62 5690.33,44.03 5690.33,-13.23 5719.2,-42.1 5719.2,-134.7 5728.1,-143.6 5729.25,-143.6 5740.8,-155.15 5740.8,-372 ; 5740.8,-374.65 5740.8,-372 ; v1(5762.8,-409.1) 5740.8,-387.1 5740.8,-372
  Bottom Layer w5: v1(5762.8,-409.1) 5763.1,-408.8 5794.3,-408.8 5817.47,-385.63 5849.1,-385.63 ; 5820.47,-385.63 5849.1,-385.63 ; RP1.1@5879.31,-385.63 5849.1,-385.63
NetIC4_31: IC4.31 RP3.8 | length 121.3
  Top Layer w5: IC4.31@5718,-449.1 5783,-449.1 v2(5792,-458.1)
  Bottom Layer w5: v2(5792,-458.1) 5792.31,-458.41 RP3.8@5792.31,-501.57
NetIC4_32: IC4.32 IC5.T16 RP3.7 | length 808.4
  Top Layer w5: v2@5596.11,108.9 v2(5595.6,108.9) 5595,108.9 IC5.T16@5610.5,124.4 ; IC4.32@5718,-469.1 5753,-469.1 v2(5768,-484.1)
  MidLayer1 w5: v2@5595,108.9 5595,99.93 5612.36,82.57 5612.36,-2.12 5659.2,-48.96 5659.2,-182.1 ; 5659.2,-185.3 5659.2,-182.1 ; v2(5768,-484.1) 5659.2,-375.3 5659.2,-182.1
  Bottom Layer w5: v2@5766,-486.1 v2(5768,-484.1) 5768,-516.1 5773.16,-521.26 RP3.7@5792.31,-521.26
NetIC4_36: IC4.36 RP3.5 | length 79.1
  Top Layer w5: IC4.36@5718,-549.1 5753,-549.1 v1(5762,-558.1)
  Bottom Layer w5: v1(5762,-558.1) 5764.53,-560.63 RP3.5@5792.31,-560.63